# Altium PCB Ikea Environmental Sensor-Module.PcbDoc (part 1 of 2) (continued)
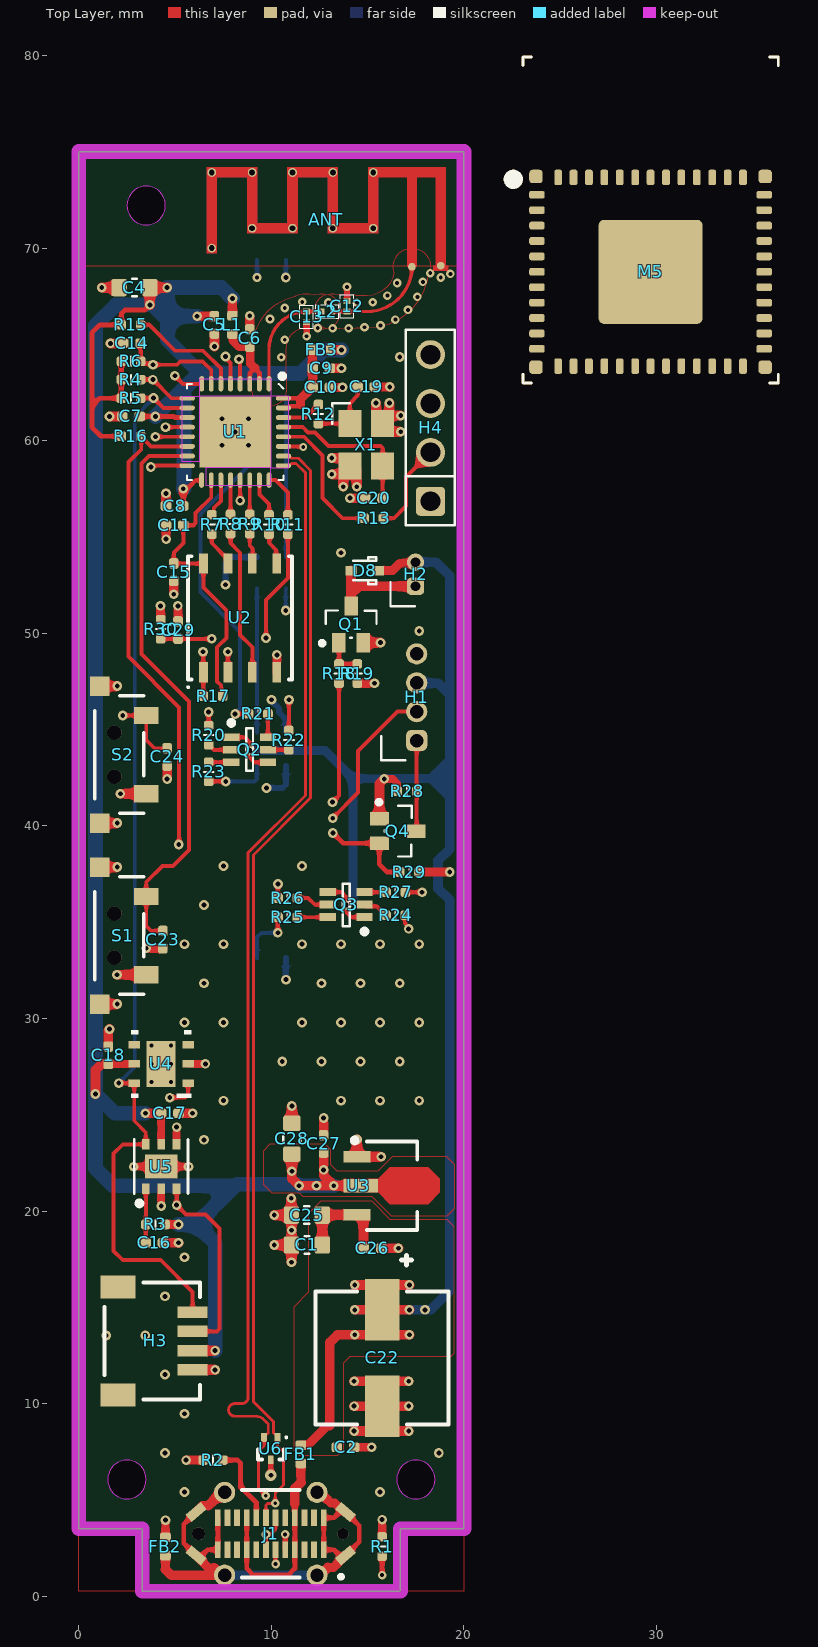
[diagram p0: Top Layer view]
## Footprints (in the part's own frame and the unit in brackets; to place one, negate y for a bottom-side part, rotate by r counter-clockwise, add the part's x,y. Pads: shape width x height; smd on the part's side, far side on the other; paste and mask are expansions set on the pad)
0603X90 [mm] "0603 (1608) capacitor 0.90 height"
  rrect26% 0.8x0.9 smd mask+0.051: 1(-0.8,0) 2(0.8,0)
  silkscreen extent -0.13,-0.46 0.13,0.46, body extent -0.85,-0.43 0.85,0.44, height 0.87
C_0201 [mm] "Chip Capacitor, 2-Leads, Body 0.6x0.3mm, IPC High Density"
  rect 0.3x0.35 smd mask+0.064: 1(-0.275,0) 2(0.275,0)
  silkscreen extent -0.6,-0.35 0.6,0.35, body extent -0.3,-0.17 0.3,0.18, height 0.31
C_0402_N [mm] "Chip Capacitor, 2-Leads, Body 1.00x0.50mm, IPC High Density"
  rrect50% 0.55x0.5 smd mask+0.064: 1(-0.45,0) 2(0.45,0)
  body extent -0.5,-0.25 0.5,0.25, height 0.55
CAP_6.6X6.6 [mm] "AlEl Capacitor, 2-Leads, Body 6.6x6.6mm, IPC Medium Density"
  rect 3.2x1.8 smd: 1(-2.5,0) 2(2.5,0)
  silkscreen extent -5.33,-3.45 3.45,3.45, body extent -3.63,-3.43 3.37,3.17, height 7.7
D_0603 [mm] "0603, 1.6 x 0.8mm, LED"
  rect 0.8x0.8 smd: 1(-0.75,0) 2(0.75,0)
  silkscreen extent 0.98,-0.68 1.66,0.72, body extent -0.81,-0.4 0.81,0.4, height 0.6
DMB0006A [mm]
  rect 0.6x0.4 smd paste+0 mask+0.051: 1(-1.4,1) 2(-1.4,0) 3(-1.4,-1) 4(1.4,-1) 5(1.4,0) 6(1.4,1)
  rect 1.5x2.4 smd paste-1.187 mask+0.051: 7(0,0)
  round 0.5 hole 0.203 mask+0.051: V(-0.5,0.95) V(-0.5,0) V(-0.5,-0.95) V(0.5,0.95) V(0.5,0) V(0.5,-0.95)
  silkscreen extent -1.55,-1.75 1.55,1.75, body extent -1.54,-1.5 1.46,1.5, height 0.8
DRT3 [mm] "SOTFL, 3-Leads, Body 1x1mm (inc leads), Pitch 0.35mm"
  rect 0.3x0.45 smd: 1(-0.35,-0.575) 2(0.35,-0.575) 3(0,0.575)
  silkscreen extent -0.85,-0.62 0.67,0.58, body extent -0.5,-0.5 0.5,0.5, height 0.5
ESP32-C3-MINI-1 [mm] "ESP32-C3 Mini Module w/ PCB Antenna"
  rrect50% 0.8x0.4 smd: 1(-5.9,4) 2(-5.9,3.2) 3(-5.9,2.4) 4(-5.9,1.6) 5(-5.9,0.8) 6(-5.9,0) 7(-5.9,-0.8) 8(-5.9,-1.6) 9(-5.9,-2.4) 10(-5.9,-3.2) 11(-5.9,-4) 25(5.9,-4) 26(5.9,-3.2) 27(5.9,-2.4) 28(5.9,-1.6) 29(5.9,-0.8) 30(5.9,0) 31(5.9,0.8) 32(5.9,1.6) 33(5.9,2.4) 34(5.9,3.2) 35(5.9,4)
  rrect50% 0.4x0.8 smd: 12(-4.8,-4.9) 13(-4,-4.9) 14(-3.2,-4.9) 15(-2.4,-4.9) 16(-1.6,-4.9) 17(-0.8,-4.9) 18(0,-4.9) 19(0.8,-4.9) 20(1.6,-4.9) 21(2.4,-4.9) 22(3.2,-4.9) 23(4,-4.9) 24(4.8,-4.9) 36(4.8,4.9) 37(4,4.9) 38(3.2,4.9) 39(2.4,4.9) 40(1.6,4.9) 41(0.8,4.9) 42(0,4.9) 43(-0.8,4.9) 44(-1.6,4.9) 45(-2.4,4.9) 46(-3.2,4.9) 47(-4,4.9) 48(-4.8,4.9)
  rrect10% 5.4x5.4 smd paste-2539.97: 49(0,0)
  rrect50% 0.7x0.7 smd: 50(5.95,4.95) 51(5.95,-4.95) 52(-5.95,-4.95) 53(-5.95,4.95)
  silkscreen extent -7.37,-5.76 6.63,11.16, body extent -6.6,-5.6 6.6,11, height 2.4
FB_0402-NIC [mm] "Chip Inductor, 2-Leads, Body 1.00x0.50mm, IPC High Density"
  rrect41% 0.5x0.55 smd mask+0.064: 1(-0.475,0) 2(0.475,0)
  body extent -0.5,-0.25 0.5,0.25, height 0.5
HDR1x2_1.25mm_RA_TH [mm] "Molex PicoBlade 2-pin RA TH Header, 530480210"
  rrect50% 0.9x0.9 hole 0.5: 1(0.625,0)
  round 0.9 hole 0.5: 2(-0.625,0)
  silkscreen extent 0.4,-1.3 1.65,-0.05, body extent -2.12,-1.05 2.13,4.45, height 3.51
HDR1X4 [mm]
  rrect26% 1.5x1.5 hole 1.02: 1(0,0)
  round 1.5 hole 1.02: 2(2.54,0) 3(5.08,0) 4(7.62,0)
  silkscreen extent -1.24,-1.24 8.92,1.3
HDR1x4_1.5mm_RA_TH [mm] "CJT A1501 4-pin RA TH  Header"
  rrect50% 1.1x1.1 hole 0.7: 1(2.25,0)
  round 1.1 hole 0.7: 2(0.75,0) 3(-0.75,0) 4(-2.25,0)
  silkscreen extent 2.03,-1.84 3.28,-0.59, body extent -3.75,-1.4 3.75,4.6, height 3.71
"JST SM04B-SRSS-TB" [mm] "1.0mm pitch/Disconnectable Crimp style connector"
  rect 0.6x1.55 smd: 1(-1.5,-2.032) 2(-0.5,-2.032) 3(0.5,-2.032) 4(1.5,-2.032)
  rect 1.2x1.8 smd: M(-2.8,1.843) M(2.8,1.843)
  silkscreen extent -3.03,-2.41 3.03,2.54, body extent -3,-2.38 3,2.57, height 2.95
L_0201 [mm]
  rect 0.25x0.3 smd mask+0.064: 1(-0.275,0) 2(0.275,0)
  silkscreen extent -0.6,-0.35 0.6,0.35, body extent -0.3,-0.15 0.3,0.15, height 0.33
"MINI-ANT-TYPED-H - FLIPPED" [mil] "Port on the Right"
  round 15.75 smd paste-7.87: 1(434.58,-215.21) 2(493.64,-212.8)
  round 18 hole 12 mask-9: 3(355.52,-22.25) 4(355.52,-136.43) 5(272.81,-136.23) 6(272.97,-22.25) 7(190.49,-22.25) 8(190.49,-136.42) 9(108.01,-136.42) 10(108.01,-22.25) 11(25.53,-22.25) 12(25.53,-176.97)
  Top Layer region: 503.49,-212.8 483.8,-212.8 483.8,-32.48 444.43,-32.48 444.43,-215.21 424.74,-215.21 424.74,-32.48 365.69,-32.48 365.69,-146.66 262.74,-146.66 262.74,-32.48 200.73,-32.48 200.73,-146.66 97.78,-146.66 97.78,-32.48 35.77,-32.48 35.77,-187.21 15.3,-187.21 15.3,-12.01 118.25,-12.01 118.25,-126.18 180.26,-126.18 180.26,-12.01 283.21,-12.01 283.21,-126.18 345.22,-126.18 345.22,-12.01 503.49,-12.01 503.49,-212.8
  Bottom Layer region: 365.69,-12.01 365.69,-146.66 262.74,-146.66 262.74,-32.48 200.73,-32.48 200.73,-146.66 97.78,-146.66 97.78,-32.48 35.77,-32.48 35.77,-187.21 15.3,-187.21 15.3,-12.01 118.25,-12.01 118.25,-126.18 180.26,-126.18 180.26,-12.01 283.21,-12.01 283.21,-126.18 345.22,-126.18 345.22,-12.01 365.69,-12.01
QFN-32_5X5 [mm] "QFN, 32-Leads, Body 5.2x5.2mm (max), Pitch 0.50mm, IPC Medium Density"
  oval 0.8x0.25 smd mask+0.076: 1(-2.5,1.75) 2(-2.5,1.25) 3(-2.5,0.75) 4(-2.5,0.25) 5(-2.5,-0.25) 6(-2.5,-0.75) 7(-2.5,-1.25) 8(-2.5,-1.75) 17(2.5,-1.75) 18(2.5,-1.25) 19(2.5,-0.75) 20(2.5,-0.25) 21(2.5,0.25) 22(2.5,0.75) 23(2.5,1.25) 24(2.5,1.75)
  oval 0.25x0.8 smd mask+0.076: 9(-1.75,-2.5) 10(-1.25,-2.5) 11(-0.75,-2.5) 12(-0.25,-2.5) 13(0.25,-2.5) 14(0.75,-2.5) 15(1.25,-2.5) 16(1.75,-2.5) 25(1.75,2.5) 26(1.25,2.5) 27(0.75,2.5) 28(0.25,2.5) 29(-0.25,2.5) 30(-0.75,2.5) 31(-1.25,2.5) 32(-1.75,2.5)
  rect 3.7x3.7 smd paste-5: 33(0,0)
  Top Layer keep-out region: -1.837,-1.85 -1.836,-2.775 1.524,-2.775 1.524,-1.85 -1.837,-1.85
  Top Layer keep-out region: 1.85,1.85 1.85,-1.529 2.775,-1.529 2.775,1.85 1.85,1.85
  Top Layer keep-out region: -2.775,1.85 -1.85,1.85 -1.85,-1.85 -2.775,-1.85 -2.775,1.85
  Top Layer keep-out region: -1.85,1.85 1.85,1.85 1.85,2.775 -1.85,2.775 -1.85,1.85
  silkscreen extent -3.02,-2.5 2.5,2.57, body extent -2.5,-2.5 2.51,2.5, height 0.7
R_0402-N [mm] "Chip Resistor, 2-Leads, Body 1.00x0.50mm, IPC High Density"
  rrect50% 0.5x0.5 smd mask+0.064: 1(-0.5,0) 2(0.5,0)
  silkscreen extent 0,-0.26 0,0.24, body extent -0.5,-0.26 0.5,0.24, height 0.36
SGP40_SEN-M [mm]
  rect 0.55x0.4 smd paste+0 mask+0: 1(-1.15,0.8) 2(-1.15,0) 3(-1.15,-0.8) 4(1.15,-0.8) 5(1.15,0) 6(1.15,0.8)
  rect 1.25x1.7 smd paste+0 mask+0.1: 7(0,0)
  silkscreen extent -2.04,-1.4 1.4,1.4, body extent -1.22,-1.22 1.22,1.22, height 0.85
SOD-523 [mm] "SOD-523"
  rect 0.6x0.5 smd: 1(0.7,0) 2(-0.7,0)
  silkscreen extent -0.6,-0.7 0.6,0.7, body extent -0.8,-0.4 0.8,0.4, height 0.7
SOT89-150P410X160-3N [mm] "SOT89, 3-Leads, Body 4.50x2.45mm, Pitch 1.50mm, Lead Span 4.1mm, IPC Medium Density"
  rect 1.4x0.6 smd: 1(-1.8,1.5) 3(-1.8,-1.5)
  rect 1.8x0.7 smd: 2(-1.6,0)
  Top Layer region: -2.5,0.35 -0.7,0.35 -0.1,0.95 1.9,0.95 1.9,0.95 2.5,0.35 2.5,-0.35 1.9,-0.95 -0.1,-0.95 -0.1,-0.95 -0.7,-0.35 -0.7,-0.35 -2.5,-0.35
  silkscreen extent -2.05,-2.3 1.32,2.47, body extent -2.25,-2.25 2,2.25, height 1.54
SOT323 [mil]
  rect 39.33x27.58 smd mask+4: 1(-38,25) 2(-38,-25) 3(37,0)
  silkscreen extent -43,-52 28,63, body extent -46,-41 37,41, height 35
SOT363_N [mm]
  rect 0.85x0.4 smd mask+0.076: 1(-0.95,0.65) 2(-0.95,0) 3(-0.95,-0.65) 4(0.95,-0.65) 5(0.95,0) 6(0.95,0.65)
  silkscreen extent -1.08,-1.07 0.18,1.53, body extent -1.06,-1 1.04,1, height 0.97
SW_122514 [mil] "LCSC RA SMT Switch"
  rect 35x50 smd: 1(-80,20) 2(80,20)
  rect 40x40 smd: 3(-140,-75) 4(140,-75)
  round 29 hole 30 unplated: ""(-45,-45) ""(45,-45)
  silkscreen extent -120,-85 120,15, body extent -154,-126 154,17, height 134
USB_C_GCT_USB4070-30-C_REVC5 [mm] "USB C, Vertical, SMT"
  rect 0.3x0.85 smd mask+0.06: A1(-2.75,0.83) A2(-2.25,0.83) A3(-1.75,0.83) A4(-1.25,0.83) A5(-0.75,0.83) A6(-0.25,0.83) A7(0.25,0.83) A8(0.75,0.83) A9(1.25,0.83) A10(1.75,0.83) A11(2.25,0.83) A12(2.75,0.83) B1(2.75,-0.83) B2(2.25,-0.83) B3(1.75,-0.83) B4(1.25,-0.83) B5(0.75,-0.83) B6(0.25,-0.83) B7(-0.25,-0.83) B8(-0.75,-0.83) B9(-1.25,-0.83) B10(-1.75,-0.83) B11(-2.25,-0.83) B12(-2.75,-0.83)
  round 1.1 hole 0.7 mask+0.06: S1(-2.4,2.15) S2(-2.4,-2.15) S3(2.4,2.15) S4(2.4,-2.15)
  rect 1.03x0.5 smd rot 40 mask+0.06: S5(-3.88,1.135) S8(3.88,-1.135)
  rect 1.03x0.5 smd rot 140 mask+0.06: S6(-3.88,-1.135) S7(3.88,1.135)
  round 0.58 hole 0.58 unplated: ""(-3.75,0)
  round 0.66 hole 0.66 unplated: ""(3.75,0)
  silkscreen extent -3.75,-2.27 1.5,2.33, body extent -4.44,-2.26 4.44,2.29, height 10.51
WSON_8 [mm] "SON, 8-Leads, Body 5.00x6.00mm, Pitch 1.27mm, IPC Medium Density"
  rect 1.05x0.45 smd: 1(-2.82,1.905) 2(-2.82,0.635) 3(-2.82,-0.635) 4(-2.82,-1.905) 5(2.82,-1.905) 6(2.82,-0.635) 7(2.82,0.635) 8(2.82,1.905)
  silkscreen extent -3.65,-2.7 3.2,2.75, body extent -3,-2.5 3,2.5, height 0.7
XDCR_ALS-PT19-315C/L177/TR8 [mm]
  rect 0.8x0.8 smd: 1(-0.75,0) 2(0.75,0)
  silkscreen extent -1.85,-0.1 -1.65,0.1, body extent -0.85,-0.4 0.85,0.4, height 0.6
XTAL_3.2MMX2.5MM [mm] "Crystal 3.2mm x 2.5mm"
  rect 1.4x1.2 smd: 1(-1.1,-0.85) 2(1.1,-0.85) 3(1.1,0.85) 4(-1.1,0.85)
  silkscreen extent -2.16,-1.78 -1.1,-0.85, body extent -1.57,-1.31 1.63,1.19, height 1.05

## Part data
ANT: library part Antenna_PCB_MIFA, "Antenna MIFA 2.4Gig", LCSC_Part_Number=C99665, Manufacturer=Rainsun, Man_Part_Number=AN9520-245, Vendor=LCSC
C1: library part C_10u_10V_10_0603_NIC, "Cap, Chip, 10uF, 10V, ± 15%, X5R, 0603", JLCPCB_Part_#=C96446, Manufacturer=NIC, Manufacturer_No=NMC0603X5R106K10TRPF, Dist_No=NMC0603X5R106K10TRPF, Distributor=NIC, HelpURL=http://www.niccomp.com/catalog/nmc1.pdf, IOT=IOT-0719, Price=0.02
C2: library part C_100n_16V_10_0402_NIC, "Cap, Chip, 100nF, 16V, +/-10%, X7R, 0402", JLCPCB_Part_#=C307331, Manufacturer=NIC, Manufacturer_No=NMC0402X7R104K16TRPF, Supplier Part Number 1=NMC0402X7R104K16TRPF-REEL, HelpURL=http://www.niccomp.com/catalog/nmc3.pdf, IOT=IOT-0301, Supplier 1="Future Electronics"
C4 C25 C28: library part C_10u_10V_10_0603_NIC, "Cap, Chip, 10uF, 10V, ± 15%, X5R, 0603", Manufacturer=NIC, Manufacturer_No=NMC0603X5R106K10TRPF, Dist_No=NMC0603X5R106K10TRPF, Distributor=NIC, HelpURL=http://www.niccomp.com/catalog/nmc1.pdf, IOT=IOT-0719, Price=0.02
C5 C6 C7 C8 C15 C18 C23 C24 C26 C27: library part C_100n_16V_10_0402_NIC, "Cap, Chip, 100nF, 16V, +/-10%, X7R, 0402", Manufacturer=NIC, Manufacturer_No=NMC0402X7R104K16TRPF, Supplier Part Number 1=NMC0402X7R104K16TRPF-REEL, HelpURL=http://www.niccomp.com/catalog/nmc3.pdf, IOT=IOT-0301, Supplier 1="Future Electronics"
C9: library part C_10n_25V_20_0402_NIC, "Cap, Chip, 0.01uF, 25V, 20%, X7R, 0402", Manufacturer=NIC, Manufacturer_No=NMC0402X7R103K25TRP, Supplier Part Number 1=NMC0402X7R103K25TRPF-REEL, HelpURL=http://www.niccomp.com/catalog/nmc2.pdf, IOT=IOT-0057, Supplier 1="Future Electronics"
C10 C11 C14 C16 C17 C29: library part C_1u_10V_10_0402_NIC, "Cap, Chip, 1uF, 10V, 10%, X5R, 0402", Manufacturer=NIC, Manufacturer_No=NMC0402X5R105K10TRPF, Supplier Part Number 1=NMC0402X5R105K10TRPF-CUTT, Dist_No=NMC0402X5R105K10TRPF, Distributor=Avnet, HelpURL=http://www.niccomp.com/catalog/nmc2.pdf, IOT=IOT-, Price=0.0056, Supplier 1="Future Electronics"
C12 C13: library part C_100n_25V_10_0201_Murata, "Cap, Chip, 100nF, 25V, +/-10%, X5R, 0201", Manufacturer=Murata, Manufacturer_No=GRM033R61E104KE14J, ComponentLink1Description=Datasheet, ComponentLink1URL=https://search.murata.co.jp/Ceramy/image/img/A01X/G101/ENG/GRM033R61E104KE14-01.pdf, Dist_No=Arrow, Distributor=GRM033R61E104KE14J, HelpURL=https://search.murata.co.jp/Ceramy/image/img/A01X/G101/ENG/GRM033R61E104KE14-01.pdf, IOT=IOT-, Supplier 1="Arrow Electronics", Supplier Part Number 1=GRM033R61E104KE14J
C19 C20: library part C_15p_25V_10_0402_NIC, "Cap, Chip, 15pF, 25V, 10%, NPO 0402", Manufacturer=NIC, Manufacturer_No=NMC0402NPO150J25TRPF, HelpURL=http://www.niccomp.com/catalog/nmc1.pdf
C22: library part C_100uF_35V_20_6.6mm_Panasonic, "Cap AlEl, 100uF, 35V, 20%, 6.6mm dia.", Manufacturer=Panasonic, Manufacturer_No=EEE-FK1V101XP, Supplier Part Number 1=PCE3836CT-ND, Distributor=Avnet, HelpURL=http://industrial.panasonic.com/www-cgi/jvcr13pz.cgi?E+PZ+3+ABA0120+EEEFK1V101XP+7+WW, IOT=IOT-0525, Price=0.1320, Supplier 1=Digi-Key
D1 D4: library part D_LED-0603_LTST-C190KRKT, "0603 LED, Red, Vf=1.6-2.4V", JLCPCB Part #=C84256, Manufacturer=Lite-on, Manufacturer_No=LTST-C190KRKT, ComponentLink1Description=Datasheet, ComponentLink1URL=http://optoelectronics.liteon.com/upload/download/DS-22-99-0151/LTST-C190KRKT.pdf, Dist_No=LTST-C190KRKT, Distributor=Arrow, HelpURL=http://optoelectronics.liteon.com/upload/download/DS-22-99-0151/LTST-C190KRKT.pdf, IOT=IOT-0708, Price=0.0376, Supplier 1="Arrow Electronics", Supplier Part Number 1=LTST-C190KRKT
D2 D5: library part D_LED-0603_LTST-C190KFKT, "0603 LED, Orange, Vf=2.0-2.4V", JLCPCB Part #=C146215, Manufacturer=Lite-on, Manufacturer_No=LTST-C190KFKT, ComponentLink1Description=Datasheet, ComponentLink1URL=https://optoelectronics.liteon.com/upload/download/DS-22-99-0186/LTST-C190KFKT.PDF, Dist_No=LTST-C190KFKT, Distributor=Arrow, HelpURL=https://optoelectronics.liteon.com/upload/download/DS-22-99-0186/LTST-C190KFKT.PDF, IOT=IOT-, Price=0.0376, Supplier 1="Arrow Electronics", Supplier Part Number 1=LTST-C190KFKT
D3 D6: library part D_LED-0603_LTST-C190KGKT, "0603 LED, Green, Vf=1.9-2.4V", JLCPCB Part #=C72043, Manufacturer=Lite-on, Manufacturer_No=LTST-C190KGKT, Supplier Part Number 1=160-1435-1-ND, ComponentLink1Description=Datasheet, ComponentLink1URL=http://optoelectronics.liteon.com/upload/download/DS22-2000-074/S_110_LTST-C190KGKT.pdf, Dist_No=LTST-C190KGKT, Distributor=Arrow, HelpURL=http://optoelectronics.liteon.com/upload/download/DS22-2000-074/S_110_LTST-C190KGKT.pdf, IOT=IOT-0171, Price=0.0376, Supplier 1=Digi-Key
D7: library part Q_Photodiode_ALS-PT19_2-SMD, "Sensor, Photo, 630NM, 2-SMD", JLCPCB Part #=C146233, Manufacturer=Lite-on, Manufacturer_No=ALS-PT19-315C/L177/TR8, Supplier Part Number 1=1080-1244-1-ND, ComponentLink1Description=Datasheet, ComponentLink1URL=https://everlighteurope.com/index.php?controller=attachment&id_attachment=5170, Dist_No=ALS-PT19-315C/L177/TR8, Distributor=Avnet, HelpURL=https://everlighteurope.com/index.php?controller=attachment&id_attachment=5170, IOT=IOT-, Price=0.0376, Supplier 1=Digi-Key
D8: library part D_1N4148WT_SOD523, "Diode, Signal, 300-mA, 75-V, 350-mW, SOD523", JLCPCB Part #=C511874, Manufacturer=NextGeb, Manufacturer_No=1N4148WT, Supplier Part Number 1=1N4148WT-7, ComponentLink1Description=Datasheet, ComponentLink1URL=https://media.digikey.com/pdf/Data%20Sheets/NextGen%20Components%20PDFs/SOD523148WTST4.pdf, Dist_No=1N4148WT, Distributor=Arrow, HelpURL=https://media.digikey.com/pdf/Data%20Sheets/NextGen%20Components%20PDFs/SOD523148WTST4.pdf, IOT=IOT-, Price=0.0119, Supplier 1="Arrow Electronics"
FB1 FB2 FB3: library part FB_300R_0402_NIC, "Ferrite bead,300 ohm@100MHz,0.15 ohm @DC, 1A, 0402", Manufacturer=NIC, Manufacturer_No=NCB-H0402P301TR100F, Supplier Part Number 1=490-5256-2-ND, Dist_No=NCB-H0402P301TR100F, Distributor=NIC, HelpURL=http://www.niccomp.com/catalog/ncbh.pdf, IOT=IOT-0720, Price=0.01, Supplier 1=Digi-Key
H1: library part "Header 4_RA_1.5mm_TH", "Header, 4-Pin", JLCPCB Part #=C225169, Manufacturer=JST, Manufacturer_No=S4B-ZR, Supplier Part Number 1=S4B-ZR-SM4A-TF, ComponentLink1Description=Datasheet, ComponentLink1URL=https://www.jst-mfg.com/product/pdf/eng/eZH.pdf?61639681cff8b, Supplier 1=Verical
H2: library part "Header 2_1.25_TH", "Header, 2-Pin", ComponentLink1Description=Datasheet-Vertical, ComponentLink1URL=https://www.molex.com/pdm_docs/sd/530470210_sd.pdf, ComponentLink2Description=Datasheet-RA, ComponentLink2URL=https://www.molex.com/pdm_docs/sd/530480210_sd.pdf
H3: library part "Header 4_RA_1.00mm_SMT", "Header, 4-Pin", JLCPCB Part #=C145956, Manufacturer=JST, Manufacturer_No=SM04B-SRSS-TB(LF)(SN), Supplier Part Number 1=455-1804-1-ND, IOT=IOT-, Supplier 1=Digi-Key
H4: library part "Header 4", "Header, 4-Pin"
J1: library part J_USB_C_REC_SMT_V, "CONN RCPT USB 3.1 Type C Vertical SMT", JLCPCB Part #=C168703, Manufacturer=GCT, Supplier Part Number 1=8074232, ComponentLink1Description=Datasheet, ComponentLink1URL=https://gct.co/files/drawings/usb4070.pdf?v=898ffa4a-86c9-4e61-8d6e-9ea790d66fc5#page=1, Dist_No=USB4070-30-C, Distributor=Future, HelpURL=https://gct.co/files/drawings/usb4070.pdf?v=898ffa4a-86c9-4e61-8d6e-9ea790d66fc5#page=1, IOT=IOT-, Manufacturer_No=USB4070-30-C, Price=2.4, Supplier 1="Future Electronics"
L1: library part L_2nH_LQG15HS2N0S02D_0402, "Inductor 2.0nH, +/-0.3nH, LQG15HS2N0S02D, 0402", JLCPCB Part #=C880712, Manufacturer=Murata, Manufacturer_No=LQG15HS2N0S02D, Supplier Part Number 1=LQG15HN4N7S02D, Datasheet=https://search.murata.co.jp/Ceramy/image/img/P02/JELF243B-0010.pdf, Dist_No=LQG15HS2N0S02D, Distributor=Avnet, IOT=IOT-, Price=.2597, Supplier 1="Arrow Electronics"
L2: library part L_2nH_LQP03TN2N0B02D_0201, "Inductor 2.0nH, +/-0.1nH, 600mA, 0201", Manufacturer=Murata, Manufacturer_No=LQP03TN2N0B02D, Datasheet=https://search.murata.co.jp/Ceramy/image/img/P02/JELF243C-0015.pdf, Dist_No=LQP03TN2N0B02D, Distributor=Arrow, IOT=IOT-, Price=.2597, Supplier 1="Arrow Electronics", Supplier Part Number 1=LQP03TN2N0B02D
Q1 Q4: library part Q_N-CH_50V_A200_BSS138W_SOT323, "MOSFET N-Channel 50V, 200mA, 200mW, SOT323", Manufacturer="Diodes Inc.", Manufacturer_No="BSS138W -7-F", Supplier Part Number 1=BSS138W-FDITR-ND, Dist_No="BSS138W -7-F", Distributor=Avnet, HelpURL=http://www.diodes.com/datasheets/ds30206.pdf, IOT=IOT-0233, Price=0.23, Supplier 1=Digi-Key
Q2 Q3: library part Q_BC857BS,115_SOT363, "PNP GP Double Transistor, 45V,100mA, SOT363", JLCPCB Part #=C8654, Manufacturer=NXP, Manufacturer_No=BC857BS,115, Supplier Part Number 1=4266805, ComponentLink1Description=Datasheet, ComponentLink1URL=https://assets.nexperia.com/documents/data-sheet/BC857BS.pdf, Dist_No=BC857BS,115, Distributor=Arrow, HelpURL=https://assets.nexperia.com/documents/data-sheet/BC857BS.pdf, Price=0.12000, Supplier 1="Future Electronics"
R1 R2: library part R_5k10_60mW_1_0402_NIC, "Resistor, 5.10 kΩ, 1%, 0.06W, 0402", JLCPCB_Part_#=C25905, Manufacturer=NIC, Manufacturer_No=NRC04F5101TRF, HelpURL=http://www.niccomp.com/catalog/nrc.pdf, Supplier 1="Arrow Electronics", Supplier Part Number 1=NRC04F5101TRF
R3: library part R_4R7_60mW_1_0402_NIC, "Resistor, 4.7 Ω, 1%, 0.06W, 0402", Manufacturer=NIC, Manufacturer_No=NRC04F4R70TRF, Dist_No=NRC04F4R70TRF, Distributor=NIC, HelpURL=http://www.niccomp.com/catalog/nrc.pdf, IOT=IOT-, Supplier 1="Arrow Electronics", Supplier Part Number 1=NRC04F4R70TRF
R4 R5 R18 R20 R22 R24 R26: library part R_2k20_60mW_1_0402_NIC, "Resistor, 2.20 kΩ, 1%, 0.06W, 0402", Manufacturer=NIC, Manufacturer_No=NRC04F2201TRF, HelpURL=http://www.niccomp.com/catalog/nrc.pdf, IOT=IOT-0099
R6 R15 R16 R17 R19 R28 R29 R30: library part R_10k0_60mW_1_0402_NIC, "Resistor, 10.0 kΩ, 1%, 0.06W, 0402", Manufacturer=NIC, Manufacturer_No=NRC04F1002TRF, HelpURL=http://www.niccomp.com/catalog/nrc.pdf, IOT=IOT-0100
R7 R8 R9 R10 R11: library part R_33R0_60mW_1_0402_NIC, "Resistor, 33.0 Ω, 1%, 0.06W, 0402", Manufacturer=NIC, Manufacturer_No=NRC04F33R0TRF, HelpURL=http://www.niccomp.com/catalog/nrc.pdf, IOT=IOT-0090
R12: library part R_0R00_60mW_1_0402_NIC, "Resistor, 0 Ω, 1%, 0.06W, 0402", Manufacturer=NIC, Manufacturer_No=NRC04ZOTRF, HelpURL=http://www.niccomp.com/catalog/nrc.pdf, IOT=IOT-0087
R13 R21 R23 R25 R27: library part R_499R_60mW_1_0402_NIC, "Resistor, 499 Ω, 1%, 0.06W, 0402", Manufacturer=NIC, Manufacturer_No=NRC04F4990TRF, Dist_No=NRC04F4990TRF, Distributor=NIC, HelpURL=http://www.niccomp.com/catalog/nrc.pdf, IOT=IOT-, Supplier 1="Arrow Electronics", Supplier Part Number 1=NRC04F4990TRF
S1 S2: library part "SW_Side Actuated Button R/A", "Side Actuated Button R/A", JLCPCB Part #=C319377, Manufacturer=HYP, Manufacturer_No=1TS002G-2300-3500-CT, ComponentLink1Description=Datasheet, ComponentLink1URL=https://datasheet.lcsc.com/lcsc/1811070920_HYP--Hongyuan-Precision-1TS002G-2300-3500-CT_C319377.pdf, Dist_No=C319377, Distributor=LCSC, Supplier 1=LCSC, Supplier Part Number 1=C319377
U1: library part U_ESP32-C3_QFN32, "IC, ESP32-C3, 160MHz RISC-V Single Core, QFN32", Manufacturer="Espressif Systems", Supplier Part Number 1=1904-ESP32-C3CT-ND, ComponentLink1Description=Datasheet, ComponentLink1URL=https://www.espressif.com/sites/default/files/documentation/esp32-c3_datasheet_en.pdf#page=21, Manufacturer_No=ESP32-C3, Supplier 1=Digi-Key
U2: library part U_W25Q128JVPIQ_WSON8, "IC, Flash Memory 128Mb (16Mkx8), 3.3V, WSON8-5x6", JLCPCB Part #=C2803379, Manufacturer=Winbond, ComponentLink1Description=Datasheet, ComponentLink1URL=https://www.winbond.com/resource-files/W25Q128JV%20RevH%2003102021%20Plus.pdf, Dist_No=W25Q128JVPIQ, Distributor=Arrow, HelpURL=http://www.winbond.com/resource-files/w25q16jv%20spi%20revg%2003222018%20plus.pdf, Manufacturer_No=W25Q128JVPIQ, Price=0.35, Supplier 1="Arrow Electronics", Supplier Part Number 1=W25Q128JVPIQ
U3: library part U_AZ1117CR-3.3TRG1_SOT89-3, "IC, CONV DC/DC LDO 3.3V, 15V In 1A, SOT89-3", JLCPCB Part #=C347256, Manufacturer="Diodes Inc", Manufacturer_No=AZ1117CR-3.3TRG1, Dist_No=AZ1117CR-3.3TRG1, Distributor=Arrow, HelpURL=https://www.diodes.com/assets/Datasheets/AZ1117C.pdf#page=14, IOT=IOT-, Price=0.15, Supplier 1=Verical, Supplier Part Number 1=AZ1117CR-3.3TRG1
U4: library part U_HDC1080DMBR_DFN6, "IC, Digital Temp & Humidity Sensor, DFN6", JLCPCB Part #=C82227, Manufacturer="Texas Instruments", ComponentLink1Description=Datasheet, ComponentLink1URL=https://www.ti.com/lit/ds/symlink/hdc1080.pdf, Dist_No=HDC1080DMBR, Distributor=Arrow, HelpURL=https://www.ti.com/lit/ds/symlink/hdc1080.pdf, Manufacturer_No=HDC1080DMBR, Price=2.20
U5: library part U_SGP40-D-R4_DFN6, "IC, Air Quality Gas Sensor, DFN6", Manufacturer=Sensirion, ComponentLink1Description=Datasheet, ComponentLink1URL=https://media.digikey.com/pdf/Data%20Sheets/Sensirion%20PDFs/Sensirion_Gas_Sensors_Datasheet_SGP40.pdf#page=16, Manufacturer_No=SGP40-D-R4, Supplier 1=Verical, Supplier Part Number 1=SGP40-D-R4
U6: library part U_TPD2EUSB30A-SOT_DRT-3, "2 Channel ESD for USB 3.0", JLCPCB_Part_#=C94934, Manufacturer="Texas Instruments", Manufacturer_No=TPD2EUSB30ADRTR, Supplier Part Number 1=296-28153-2-ND, Datasheet=http://www.ti.com/lit/gpn/tpd2eusb30a, Distributor=Avnet, HelpURL=http://www.ti.com/lit/gpn/tpd2eusb30a, IOT=IOT-0557, Price=0.1641, Supplier 1=Digi-Key
X1: library part X_40.000MHZ_12pF_3225, "X-tal, 40.000MHz, Cl=4pF, +-10ppm, 3.2x2.5", JLCPCB Part #=C90924, Manufacturer="ABRACON Co", Manufacturer_No=ABM8W-40.0000MHZ-4-B1U-T3, ComponentLink1Description=Datasheet, ComponentLink1URL=https://abracon.com/Resonators/ABM8W.pdf, Dist_No=535-9130-1-ND, Distributor=DIGIKEY, HelpURL=http://www.abracon.com/Resonators/abm3b.pdf, Price=1.38, Supplier 1="Arrow Electronics", Supplier Part Number 1=ABM8W-40.0000MHZ-4-B1U-T3

## Via types
v1: diameter 0.5, hole 0.25, Top Layer to Bottom Layer, tented both sides, 105 vias
v2: diameter 0.508, hole 0.254, Top Layer to Bottom Layer, tented both sides, 65 vias
v3: diameter 0.45, hole 0.2, Top Layer to Bottom Layer, 19 vias
v4: diameter 0.45, hole 0.2, Top Layer to Bottom Layer, tented both sides, 12 vias
v5: diameter 0.6, hole 0.25, Top Layer to Bottom Layer, tented both sides, 1 vias
v6: diameter 0.4, hole 0.2, Top Layer to Bottom Layer, tented both sides, 1 vias
v7: diameter 0.5, hole 0.25, Top Layer to Bottom Layer, tented bottom, 1 vias

## Nets (pads, with @x,y where several pads share a name; then routed paths per layer and width w, separated by ;. In a path a pad name is that pad's centre, name@x,y a point inside that pad or via, vN(x,y) a via of type N, cw(c..) or ccw(c..) an arc to the next point about the centre after c; other vN are vias at no path point)
3V3: C4.1 C5.1 C7.1 C8.1 C17.1 C18.1 C27.1 C28.1 FB3.2 H3.2 H4.1 L1.1 R3.2 R4.1 R5.1 R6.2 R15.2 R16.2 R29.2 U1.11 U1.17 U3.2 U4.5 U5.5 | length 185.5
  Top Layer w0.203: C8.1@5.428,56.608 5.428,57.302 6.067,57.941 6.367,57.941 U1.17@6.378,57.952
  Top Layer w0.254: R16.2@2.21,60.232 1.151,60.232 0.681,60.702 0.681,61.796 ; R6.2@2.209,64.12 R5.1@2.21,62.205 1.09,62.205 0.681,61.796 ; C7.1@3.16,61.257 v1(3.979,61.257) 4.933,61.257 4.988,61.202 U1.11@5.628,61.202 ; v1(3.69,67.052) 3.678,67.052 3.419,66.792 2.409,66.792 2.21,66.594 R15.2@2.21,66.01 1.09,66.01 0.681,65.6 0.681,61.796
  Top Layer w0.381: C18.1@1.535,27.641 U4.5@2.878,27.641 ; U5.5@4.277,23.459 C17.1@4.277,25.078
  Top Layer w0.457: v1(3.458,25.078) C17.1@4.277,25.078 ; R3.2@4.479,19.304 v1(5.177,19.304) ; v1(6.145,66.46) C5.1@7.042,66.46 ; L1.1@7.978,66.485 v1(7.978,67.382) ; v1(12.713,22.137) C27.1@12.713,23.034 ; FB3.2@13.078,64.715 v1@13.631,64.715 ; R29.2@17.668,37.603 v1(19.263,37.603)
  Top Layer w0.508: v1(0.864,26.077) 0.864,27.318 1.182,27.637 1.531,27.637 C18.1@1.535,27.641 ; v1(3.69,67.052) C4.1@3.69,67.949 v1(4.587,67.949) ; v1@5.428,57.302 v1(5.428,57.505) ; H3.2@5.908,12.753 v1(7.08,12.753) ; C28.1@11.062,22.959 v1(11.062,22.062) 11.062,21.694 v1(11.441,21.315) v1(12.34,21.315) v1(13.238,21.315) ; v1(12.713,22.137) 12.713,21.839 v1(13.238,21.315) ; v1@13.631,64.715 v1(13.637,64.709) ; U3.2@14.135,21.315 v1(13.238,21.315)
  Mid Layer 2 w0.508: v1(11.441,21.315) v1(12.34,21.315) v1(13.238,21.315) 18.092,21.315 19.263,22.486 v1(19.263,37.603) 19.263,55.851 H4.1@18.265,56.85
  Bottom Layer w0.762: v1(3.458,25.078) 1.863,25.078 v1(0.864,26.077) ; v1@3.76,67.122 4.422,66.46 4.59,66.46 ; v1(3.979,61.257) 5.418,62.696 6.234,63.512 6.316,63.512 ; v1(4.587,67.949) v1(3.69,67.052) 1.935,67.052 0.864,65.981 v1(0.864,26.077) ; v1(5.177,19.304) 6.107,19.304 ; v1(5.428,57.505) 5.459,57.536 5.459,62.655 6.316,63.512 ; v1(6.145,66.46) 4.59,66.46 ; v1(7.08,12.753) 7.08,18.331 6.107,19.304 ; v1(7.978,67.382) 7.411,67.949 4.59,67.949 4.59,66.46 ; v1(13.238,21.315) v1(12.34,21.315) v1(11.441,21.315) 11.359,21.398 8.201,21.398 8.118,21.315 ; v1(13.637,64.709) 12.743,64.709 11.525,63.491 7.519,63.491 7.498,63.512 6.316,63.512 ; v1(0.864,26.077) 0.864,22.217 1.766,21.315 8.118,21.315 ; 4.59,66.46 4.59,65.238 6.316,63.512 ; 6.107,19.304 8.118,21.315
5V0: C1.1 C2.1 C22.1 C25.1 C26.1 D7.1 D8.2 FB1.1 H1.3 H2.2 Q2.1 Q2.4 Q3.1 Q3.4 Q4.1 R28.2 U3.3 | length 130.4
  Top Layer w0.203: Q2.1@7.921,44.597 8.626,44.597 8.901,44.322 v2(8.901,43.917) 8.901,43.512 9.115,43.297 Q2.4@9.821,43.297 ; Q3.4@12.931,36.563 13.636,36.563 13.854,36.346 13.854,35.94 v1(13.911,35.884) 13.911,35.478 14.126,35.263 Q3.1@14.831,35.263
  Top Layer w0.381: v1(15.855,42.44) 16.305,42.44 16.543,42.203 R28.2@16.544,41.803 R28.2@16.544,41.803
  Top Layer w0.457: 11.884,7.84 13.027,8.983 ; D8.2@15.535,53.254 16.284,53.254 16.665,53.635 17.431,53.635 H2.2@17.484,53.688
  Top Layer w0.508: FB1.1@11.536,7.84 11.884,7.84 ; C1.1@12.646,18.239 12.644,18.24 12.644,19.787 C25.1@12.643,19.788 12.656,19.802 14.435,19.802 U3.3@14.448,19.815 14.731,19.815 14.777,19.769 14.777,18.075 14.781,18.071 C26.1@14.798,18.071 ; 13.035,8.848 13.035,13.184 13.426,13.575 v1(14.327,13.575) C22.1@15.224,13.575 ; v1(14.327,14.87) C22.1@15.224,14.87 ; v1(14.327,16.165) C22.1@15.224,16.165 ; Q4.1@15.607,40.366 15.607,42.192 v1(15.855,42.44) ; C22.1@16.269,13.575 v1(17.166,13.575) ; C22.1@16.269,14.87 v1(17.166,14.87) ; C22.1@16.269,16.165 v1(17.166,16.165)
  Mid Layer 2 w0.203: v2(8.901,43.917) 7.661,43.917 5.908,45.67 5.908,60.489 4.534,61.862 4.534,66.99 6.017,68.473 v4(9.256,68.473)
  Bottom Layer w0.203: D7.1@9.25,69.38 9.256,69.374 v4(9.256,68.473)
  Bottom Layer w0.457: v2(8.901,43.917) 12.776,43.917 14.231,42.462 ; v1(13.911,35.884) 13.911,35.895 14.214,36.198 ; 14.231,36.198 14.231,42.462 ; v1@15.851,42.462 18.283,42.462 ; v1(15.855,42.44) 15.847,42.448 14.921,42.448 14.906,42.462 14.231,42.462 ; 19.263,41.452 19.263,41.482 18.4,42.345 ; 19.263,41.951 18.752,42.462 18.518,42.462 ; 19.263,42.697 18.752,42.697 18.635,42.58 18.518,42.462 ; 19.263,43.443 18.635,42.815 18.518,42.697 18.4,42.58 18.283,42.462 ; 18.283,42.462 18.518,42.462 ; 18.283,42.462 18.4,42.345 ; 18.4,42.345 18.518,42.462
  Bottom Layer w0.508: v1(14.327,14.87) v1(17.166,14.87) v1(17.976,14.87) 18.264,14.87 19.263,15.869 19.263,36.149 18.658,36.755 18.658,38.194 19.263,38.8 19.263,41.452 ; H2.2@17.484,53.688 18.546,53.688 19.263,52.971 19.263,46.8 ; H1.3@17.564,47.409 18.655,47.409 19.263,46.8 ; 19.263,41.482 19.263,41.951 19.263,42.697 19.263,43.443 19.263,46.8
CHIP_EN: C14.1 C24.1 R6.1 S2.1 U1.7 | length 30.5
  Top Layer w0.203: v2(2.28,45.731) S2.1@3.5,45.731 3.5,44.461 3.931,44.03 C24.1@4.587,44.03 ; C14.1@3.209,65.052 R6.1@3.209,64.12 3.329,64.001 3.79,64.001 v2(3.848,63.942) 5.091,63.942 5.269,64.12 6.429,64.12 6.878,63.671 U1.7@6.878,62.952
  Mid Layer 2 w0.203: v2(2.28,45.731) 2.28,46.547 2.468,46.735 2.468,48.51 0.681,50.297 0.681,62.009 2.614,63.942 v2(3.848,63.942)